# Altium PCB uTCA_MCH_PCB3.pcbdoc (part 10 of 25)
Units mil, origin at the board's own origin, x right, y up, seen from the top; angles counter-clockwise.
Board outline 7110.66 x 2894.12 mil, 12 copper layers (Top Layer, GND1, MidLayer1, PWR1, MidLayer2, GND2, PWR2, MidLayer3, GND3, MidLayer4, PWR3, Bottom Layer), stack 63.15 mil thick; 767 components, 905 nets, 4553 pads, 2832 vias.
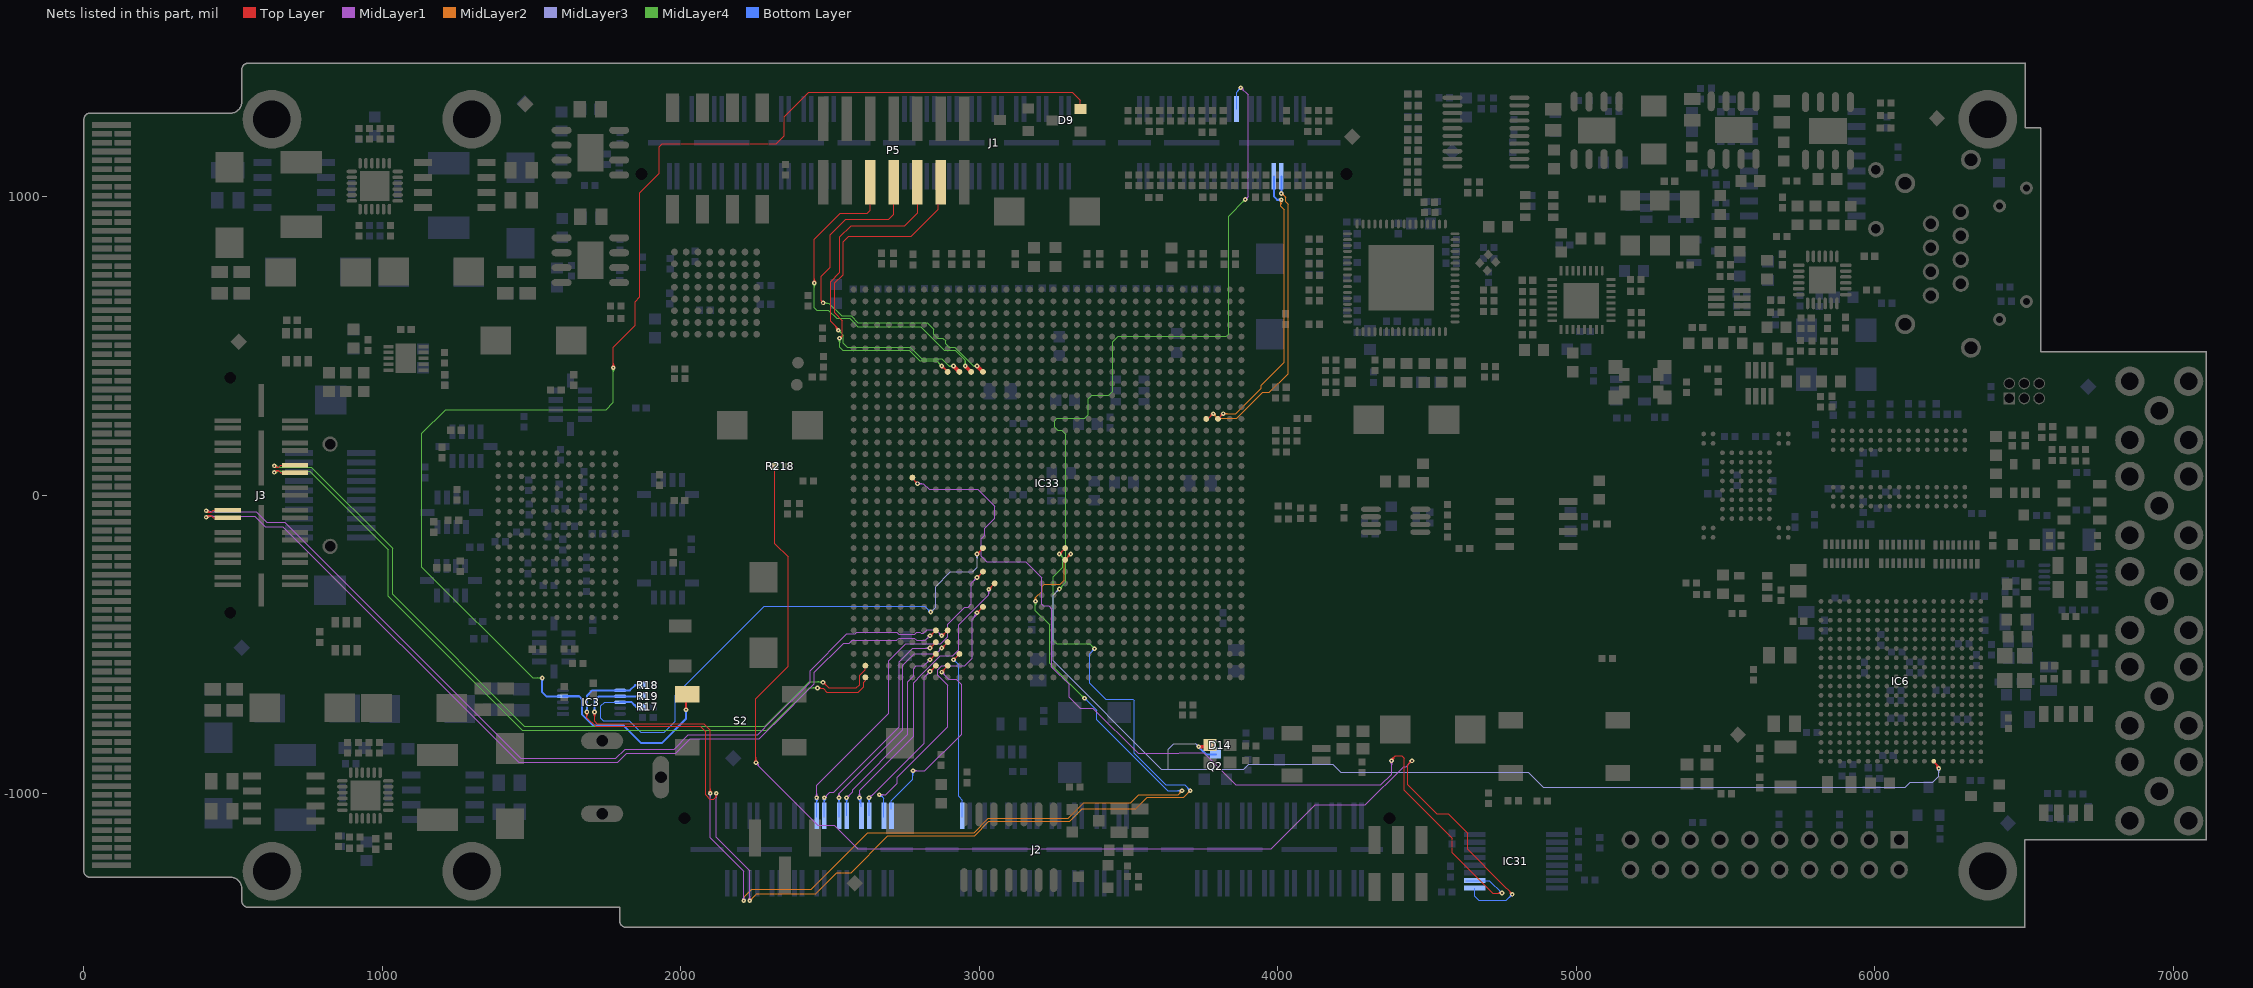
[diagram p20: the nets of this part, all layers, seen from the top]

## Via types
v1: diameter 15.75, hole 5.91, Top Layer to Bottom Layer, tented both sides, 2480 vias
v2: diameter 23.62, hole 11.81, Top Layer to Bottom Layer, tented both sides, 325 vias
v3: diameter 20, hole 10, Top Layer to Bottom Layer, tented both sides, 16 vias
v4: diameter 15.75, hole 7.87, Top Layer to Bottom Layer, tented both sides, 9 vias
v5: diameter 23.62, hole 11.81, Top Layer to Bottom Layer, 1 vias
v6: diameter 15.75, hole 5.91, Top Layer to Bottom Layer, 1 vias

## Nets (pads, with @x,y where several pads share a name; then routed paths per layer and width w, separated by ;. In a path a pad name is that pad's centre, name@x,y a point inside that pad or via, vN(x,y) a via of type N, cw(c..) or ccw(c..) an arc to the next point about the centre after c; other vN are vias at no path point) (continued)
FPGA_GPIO31: IC33.AE32 J2.64 | length 611.9
  Top Layer w3.94: v1(2913.39,-551.18) IC33.AE32@2933.07,-531.5 ; v1@2913.39,-545.28 ccw(c2913.39,-531.02) 2923.47,-541.1 ccw(c2933.55,-551.18) v1@2919.29,-551.18
  Bottom Layer w3.94: v1@2913.39,-557.09 cw(c2913.39,-571.34) 2923.47,-561.26 cw(c2933.55,-551.18) v1@2919.29,-551.18 ; v1(2913.39,-551.18) 2930.13,-567.92 2930.13,-1009.13 2942.99,-1022 J2.64@2942.99,-1078.15
FPGA_GPIO32: IC33.AF33 J2.66 | length 739.4
  Top Layer w3.94: v1@2874.02,-590.55 IC33.AF33@2893.7,-570.87 ; v1@2874.02,-586.61 ccw(c2874.02,-577.11) 2880.74,-583.83 ; v1@2875.98,-592.52 cw(c2885.49,-592.52) 2878.77,-585.8 ; v1@2879.92,-592.52 cw(c2898.93,-592.52) 2885.49,-579.08
  MidLayer1 w3.94: v1@2778.53,-923.21 2816.95,-923.21 2940.16,-800 2940.16,-635.42 ; v1@2781.81,-926.97 cw(c2790.87,-936.03) 2790.87,-923.21 ; v1@2781.81,-918.61 ccw(c2792.9,-907.52) 2792.9,-923.21 ; v1@2874.02,-598.43 cw(c2874.02,-612.68) 2884.1,-602.6 cw(c2894.18,-592.52) v1@2879.92,-592.52 ; v1(2874.02,-592.52) 2897.24,-615.75 2922.05,-615.75 2939.95,-633.66
  Bottom Layer w3.94: J2.66@2704.72,-1051.18 2704.72,-1023.62 2776.77,-951.58 v1@2776.77,-926.73 ; v1@2773.45,-926.97 cw(c2765.45,-934.97) 2776.77,-934.97 ; 2776.77,-939.12 cw(c2793.96,-939.12) v1@2781.81,-926.97
  other v1: 2777.63,-922.79
FPGA_GPIO33: IC33.AC28 J2.68 | length 1061
  Top Layer w3.94: v1(2992.13,-393.7) IC33.AC28@3011.81,-374.02 ; v1@2992.13,-387.8 ccw(c2992.13,-373.54) 3002.21,-383.62 ccw(c3012.29,-393.7) v1@2998.03,-393.7
  MidLayer1 w3.94: v1(2664.37,-1003.44) 2686.56,-1003.44 2725.15,-964.85 2725.15,-944.15 2893.7,-775.59 2893.7,-637 2860.24,-603.54 2860.24,-585.17 2874.54,-570.87 2951.17,-570.87 2976.38,-545.65 2976.38,-415.35 2998.03,-393.7 v1(2992.13,-393.7) ; v1@2668.55,-1007.62 cw(c2678.63,-1017.7) 2678.63,-1003.44 cw(c2678.63,-989.19) v1@2668.55,-999.27 ; 2977.87,-413.86 ccw(c2957.71,-393.7) v1@2986.22,-393.7 ; 2984.59,-407.14 ccw(c2971.15,-393.7) v1@2990.16,-393.7
  Bottom Layer w3.94: v1(2664.37,-1003.44) 2668.8,-1003.44 2680.31,-1014.96 ; v1@2664.54,-1005.41 cw(c2665.6,-1017.71) 2674.33,-1008.98 ; v1@2664.88,-1009.33 cw(c2666.55,-1028.73) 2680.31,-1014.96 ; J2.68@2680.31,-1078.15 2680.31,-1014.96
FPGA_GPIO34: IC33.AG33 J2.70 | length 696.7
  Top Layer w3.94: v1(2834.65,-590.55) IC33.AG33@2854.33,-570.87 ; v1@2834.65,-584.65 ccw(c2834.65,-570.39) 2844.73,-580.47 ccw(c2854.81,-590.55) v1@2840.55,-590.55
  MidLayer1 w3.94: v1@2627.95,-1011.81 v1(2629.92,-1013.78) 2631.89,-1013.78 2814.96,-830.71 2814.96,-610.24 v1(2834.65,-590.55) ; v1@2629.92,-1011.81 ccw(c2629.92,-1002.31) 2636.64,-1009.03 ; v1@2629.92,-1007.87 ccw(c2629.92,-988.86) 2643.36,-1002.31 ; v1@2635.83,-1013.78 cw(c2645.33,-1013.78) 2638.61,-1007.06 ; v1@2828.74,-590.55 cw(c2814.48,-590.55) 2824.56,-600.63 cw(c2834.65,-610.71) v1@2834.65,-596.46
  Bottom Layer w3.94: v1@2625.75,-1017.96 cw(c2614.14,-1029.56) 2630.55,-1029.56 ; J2.70@2630.55,-1074.21 v1@2630.55,-1014.41 ; 2630.55,-1026.52 cw(c2642.66,-1026.52) v1@2634.1,-1017.96
FPGA_GPIO35: IC33.AB26 J2.72 | length 1093.6
  Top Layer w3.94: v1(3031.5,-314.96) IC33.AB26@3051.18,-295.28 ; v1@3031.5,-309.06 ccw(c3031.5,-294.79) 3041.58,-304.88 ccw(c3051.66,-314.96) v1@3037.4,-314.96
  MidLayer1 w3.94: v1@2594.24,-1009.6 ccw(c2584.15,-999.51) 2598.43,-999.51 ; v1@2594.49,-1011.81 2598.43,-1007.87 2598.43,-988.19 2779.53,-807.09 2779.53,-627.95 2807.09,-600.39 ; v1(2598.42,-1013.78) v1@2604.33,-1013.78 ; 2598.43,-999.53 ccw(c2612.66,-999.53) v1@2602.6,-1009.6 ; 2807.09,-600.01 2869.7,-537.4 2911.42,-537.4 2931.1,-517.72 2931.1,-434.26 3031.5,-333.86 v1(3031.5,-314.96) ; v1@3027.32,-319.14 cw(c3017.24,-329.22) 3031.5,-329.22 cw(c3045.75,-329.22) v1@3035.67,-319.14
  Bottom Layer w3.94: v1@2594.24,-1017.95 cw(c2569.89,-1042.3) J2.72@2604.33,-1042.3 ; v1@2597.03,-1015.17 cw(c2579.4,-1032.8) J2.72@2604.33,-1032.8 ; v1(2598.42,-1013.78) 2604.33,-1019.69 J2.72@2604.33,-1043.31 ; v1@2599.81,-1012.39 cw(c2588.9,-1023.29) 2604.33,-1023.29
FPGA_GPIO36: IC33.AG32 J2.74 | length 770.3
  Top Layer w3.94: v1(2834.65,-551.18) IC33.AG32@2854.33,-531.5 ; v1@2834.65,-545.28 ccw(c2834.65,-531.02) 2844.73,-541.1 ccw(c2854.81,-551.18) v1@2840.55,-551.18
  MidLayer1 w3.94: v1(2555.12,-1013.78) 2575,-993.9 2575,-986.02 2759.84,-801.18 2759.84,-624.02 2779.5,-604.36 2779.5,-581.5 2789.26,-571.74 2814.09,-571.74 v1(2834.65,-551.18) ; v1@2555.12,-1007.87 ccw(c2555.12,-993.62) 2565.2,-1003.7 ccw(c2575.28,-1013.78) v1@2561.02,-1013.78 ; v1@2828.74,-551.18 cw(c2814.48,-551.18) 2824.56,-561.26 cw(c2834.65,-571.34) v1@2834.65,-557.09
  Bottom Layer w3.94: v1@2550.94,-1017.96 cw(c2539.72,-1029.18) 2555.59,-1029.18 ; J2.74@2555.59,-1074.21 v1@2555.59,-1014.25 ; 2555.59,-1026.9 cw(c2568.23,-1026.9) v1@2559.29,-1017.96
FPGA_GPIO37: IC33.AF31 J2.76 | length 867.1
  Top Layer w3.94: v1(2874.02,-511.81) IC33.AF31@2893.7,-492.13 ; v1@2874.02,-505.91 ccw(c2874.02,-491.65) 2884.1,-501.73 ccw(c2894.18,-511.81) v1@2879.92,-511.81
  MidLayer1 w3.94: v1@2525.45,-1009.5 ccw(c2516.41,-1000) 2529.53,-1000 ; v1(2529.53,-1013.78) 2529.53,-1000 ; v1@2533.6,-1009.5 cw(c2542.65,-1000) 2529.53,-1000 ; v1@2868.11,-511.81 cw(c2853.85,-511.81) 2863.93,-521.89 cw(c2874.02,-531.97) v1@2874.02,-517.72 ; v1(2874.02,-511.81) 2854.33,-531.5 2781.5,-531.5 2744.09,-568.9 2744.09,-785.43 2529.53,-1000
  Bottom Layer w3.94: v1@2525.35,-1017.96 cw(c2513.18,-1030.13) J2.76@2530.39,-1030.13 ; J2.76@2530.39,-1078.15 v1@2530.39,-1014.65 ; 2530.39,-1025.94 cw(c2541.69,-1025.94) v1@2533.7,-1017.96
FPGA_GPIO38: IC33.AG31 J2.78 | length 871.2
  Top Layer w3.94: v1(2834.65,-511.81) IC33.AG31@2854.33,-492.13 ; v1@2834.65,-505.91 ccw(c2834.65,-491.65) 2844.73,-501.73 ccw(c2854.81,-511.81) v1@2840.55,-511.81
  MidLayer1 w3.94: v1(2480.32,-1013.78) 2499.05,-995.05 2511.95,-995.05 2731.29,-775.71 2731.29,-558.08 2777.56,-511.81 v1(2834.65,-511.81) ; v1@2480.32,-1007.87 ccw(c2480.32,-993.62) 2490.4,-1003.7 ccw(c2500.48,-1013.78) v1@2486.22,-1013.78 ; v1@2830.47,-515.99 ccw(c2820.39,-526.07) 2820.39,-511.81 ccw(c2820.39,-497.55) v1@2830.47,-507.64
  Bottom Layer w3.94: v1@2476.14,-1017.96 cw(c2465.3,-1028.8) 2480.63,-1028.8 ; J2.78@2480.63,-1078.15 v1@2480.63,-1014.1 ; 2480.63,-1027.27 cw(c2493.81,-1027.27) v1@2484.49,-1017.96
FPGA_GPIO39: IC33.AC25 J2.80 | length 1217.9
  Top Layer w3.94: v1(2992.13,-275.59) IC33.AC25@3011.81,-255.91 ; v1@2992.13,-269.69 ccw(c2992.13,-255.43) 3002.21,-265.51 ccw(c3012.29,-275.59) v1@2998.03,-275.59
  MidLayer1 w3.94: v1@2450.55,-1009.6 ccw(c2440.47,-999.52) 2454.72,-999.52 ccw(c2468.98,-999.52) v1@2458.9,-1009.6 ; v1(2454.72,-1013.78) 2454.72,-972.28 2695.87,-731.13 2695.87,-553.76 2752.62,-497 2871.11,-497 2893.7,-474.41 2893.7,-431.48 2950.62,-374.57 2961.93,-374.57 2972.44,-364.06 2972.44,-295.28 v1(2992.13,-275.59) ; v1@2986.22,-275.59 cw(c2971.96,-275.59) 2982.04,-285.67 cw(c2992.13,-295.75) v1@2992.13,-281.5
  Bottom Layer w3.94: v1@2450.55,-1017.96 cw(c2438.76,-1029.75) 2455.43,-1029.75 ; J2.80@2455.43,-1078.15 v1@2455.43,-1014.49 ; 2455.43,-1026.33 cw(c2467.27,-1026.33) v1@2458.9,-1017.96
FPGA_INIT_B: D14.2 IC6.N1 J1.83 Q2.3 | length 6362.1
  Top Layer w3.94: IC6.N1@6197.56,-891.2 6214,-907.64 v1(6214,-915) ; IC6.N1@6198.71,-892.35 cw(c6176.06,-915) v1@6208.09,-915 ; 6205.43,-899.07 cw(c6189.5,-915) v1@6212.03,-915 ; 6212.15,-905.79 cw(c6202.95,-915) v1@6215.97,-915
  Top Layer w12.6: v1@3736.12,-842.91 D14.2@3758.66,-842.91
  MidLayer1 w3.94: v1@3876,1359.09 cw(c3876,1344.84) 3886.08,1354.92 cw(c3896.16,1365) v1@3881.91,1365 ; v1(3876,1365) 3900,1341 3900,1000 ; v1(3891,991) 3900,1000 ; v1@3891.49,996.88 ccw(c3892.39,1007.61) 3900,1000 ; v1@3896.88,991.49 cw(c3907.61,992.39) 3900,1000
  MidLayer4 w3.94: v1(3268,-314) 3290,-292 3290,204 3276,218 3262,218 3252,228 3252,250 3260,258 3353,258 3365,270 3365,323 3377,335 3433,335 3447,349 3447,514 3465,532 3827,532 3835.11,540.11 3835.11,935.11 v1(3891,991) ; v1@3268,-308.09 ccw(c3268,-293.84) 3278.08,-303.92 ccw(c3288.16,-314) v1@3273.91,-314 ; v1@3885.09,991 cw(c3870.84,991) 3880.92,980.92 cw(c3891,970.84) v1@3891,985.09
  MidLayer3 w3.94: v1@3262.09,-314 cw(c3247.84,-314) 3257.92,-324.08 cw(c3268,-334.16) v1@3268,-319.91 ; v1(3268,-314) 3247,-335 3247,-555 3609.35,-917.35 3885.6,-917.35 3901.95,-901 4184,-901 4211,-928 4838,-928 4889,-979 6101,-979 6118,-962 6194,-962 6214,-942 v1(6214,-915) ; 3632.26,-917.27 3632.26,-851.08 3651.65,-831.69 3725.3,-831.69 ; 3727.21,-833.6 ccw(c3735.12,-825.68) v1@3735.12,-836.87 ; v1@3729.23,-842.32 ccw(c3715.72,-841.28) 3725.3,-831.69 ; v1(3735.12,-842.78) 3735.12,-841.51 3725.3,-831.69 ; v1@6209.82,-919.18 cw(c6199.74,-929.26) 6214,-929.26 cw(c6228.26,-929.26) v1@6218.18,-919.18
  Bottom Layer w3.94: J1.83@3861.65,1293.9 3861.65,1350.65 v1(3876,1365) ; v1@3870.09,1365 cw(c3855.84,1365) 3865.92,1354.92 cw(c3876,1344.84) v1@3876,1359.09
  Bottom Layer w6.89: v1@3735.12,-847.21 cw(c3735.12,-855.22) 3740.79,-849.56 ; v1(3735.12,-842.78) 3735.12,-843.89 3759.37,-868.14 Q2.3@3792.08,-868.14 ; v1@3739.55,-842.78 ccw(c3752.92,-842.78) 3743.47,-852.24
FPGA_JTAG.FPGA_TCK: IC33.AE8 P5.6 | length 1278.7
  Top Layer w3.94: 2503.42,581.23 v1@2531.5,553.15 ; 2505.28,579.33 2501.34,583.27 2501.34,715.87 2532.46,746.99 2532.46,795.69 ; 2514.68,569.96 cw(c2497.87,553.15) v1@2521.65,553.15 ; 2521.41,563.24 cw(c2511.31,553.15) v1@2525.59,553.15 ; 2524.2,560.44 ccw(c2527.55,563.79) v1@2527.55,559.05 ; 2532.52,791.5 2532.52,865.37 2570.74,903.59 2749.72,903.59 2793.2,947.07 P5.6@2793.2,1025.7
  Top Layer w12.6: v1(2913.39,433.07) IC33.AE8@2933.07,413.39
  MidLayer4 w3.94: v1@2527.55,547.24 cw(c2527.55,532.99) 2537.64,543.07 cw(c2547.72,553.15) v1@2533.46,553.15 ; v1@2531.49,553.15 v1(2527.55,553.15) 2544.29,536.42 2544.29,508.48 2557.1,495.67 2768.5,495.67 2806.5,457.68 2874.21,457.68 2899.21,432.68 ; 2900.08,432.68 cw(c2900.08,419.76) v1@2909.21,428.9 ; v1@2909,437.03 cw(c2899.21,445.86) 2899.21,432.68 ; v1@2913.39,432.68 2899.21,432.68
FPGA_JTAG.FPGA_TDI: IC33.AD8 P5.10 | length 1195.8
  Top Layer w3.94: v1@2442.79,715.41 ccw(c2432.71,725.49) 2446.97,725.49 ccw(c2461.23,725.49) v1@2451.15,715.41 ; v1(2446.97,711.23) 2446.97,857.52 2533.36,943.91 2623.91,943.91 2634.87,954.87 P5.10@2634.87,1003.42
  Top Layer w12.6: v1(2952.76,433.07) IC33.AD8@2972.44,413.39
  MidLayer4 w3.94: v1@2442.79,707.05 cw(c2432.69,696.95) 2446.98,696.95 ; 2446.98,697 cw(c2461.2,697) v1@2451.15,707.05 ; v1@2446.98,709.87 2446.98,628.56 2455.15,620.39 2493.78,620.39 2521.65,592.52 2564.96,592.52 2592.91,564.57 2803.16,564.57 2882.5,485.24 2918.69,485.24 2952.36,451.56 v1@2952.36,433.86 ; v1@2948.58,437.25 ccw(c2939.45,446.38) 2952.36,446.38 ; 2952.36,448.28 ccw(c2967.96,448.28) v1@2956.93,437.25
FPGA_JTAG.FPGA_TDO: IC33.AC8 P5.8 | length 1279.3
  Top Layer w3.94: v1@2471.03,646.68 ccw(c2465.79,648.81) 2469.79,652.81 ; v1@2476.19,650.36 cw(c2475.74,658.76) 2469.79,652.81 ; v1@2476.38,646.22 2469.79,652.81 ; P5.8@2712.36,1041.58 2712.36,941.49 2695.77,924.9 2553.01,924.9 2500.52,872.41 2500.52,763.93 2469.79,733.2 2469.79,652.81
  Top Layer w12.6: v1(2992.13,433.07) IC33.AC8@3011.81,413.39
  MidLayer4 w3.94: v1@2477.41,644.01 2495.8,644.01 2539.03,600.78 2570.1,600.78 2593.13,577.75 2826.17,577.75 2847.44,556.48 2847.44,538.78 2860.24,525.98 2877.94,525.98 2886.81,517.11 2886.81,507.09 2897.83,496.06 2917.6,496.06 2980.99,432.68 ; v1@2480.68,640.28 cw(c2489.67,631.29) 2489.67,644.01 ; v1@2480.68,648.64 ccw(c2491.84,659.8) 2491.84,644.01 ; v1@2987.06,436.11 cw(c2980.99,439.77) 2980.99,432.68 ; v1@2987.43,429.49 ccw(c2980.99,424.57) 2980.99,432.68 ; v1@2992.13,432.68 2980.99,432.68
  other v1: 2476.5,644.46
FPGA_JTAG.FPGA_TMS: IC33.AF8 P5.4 | length 1311.9
  Top Layer w3.94: v1@2533.07,531.28 ccw(c2535.33,539.46) 2541.33,533.46 ; v1@2533.46,525.59 2541.33,533.46 ; v1@2537.4,525.59 cw(c2546.89,525.59) 2540.18,532.3 ; P5.4@2862.2,1049.21 2862.2,958.66 2770.95,867.41 2561.58,867.41 2543.48,849.31 2543.48,739.46 2515.24,711.22 2515.24,610.75 2541.33,584.65 2541.33,533.46
  Top Layer w4.92: v1@2874.02,427.66 cw(c2874.02,414.59) 2883.26,423.83 cw(c2892.5,433.07) v1@2879.43,433.07 ; v1(2874.02,433.07) IC33.AF8@2893.7,413.39
  MidLayer4 w3.94: v1@2527.32,521.41 cw(c2517.23,511.33) 2531.49,511.33 cw(c2545.75,511.33) v1@2535.67,521.41 ; v1(2531.49,525.59) 2531.49,496.07 2542.13,485.43 2633.56,485.43 ; 2633.58,485.41 2645.95,485.41 ; 2645.97,485.43 2765.35,485.43 2801.02,449.76 2856.93,449.76 v1@2874.02,432.68 ; 2863.26,443.43 ccw(c2874.02,454.18) v1@2874.02,438.98 ; 2864.21,442.48 cw(c2854.8,433.07) v1@2868.11,433.07
FPGA_RS232_RXD: IC31.9 R218.1 | length 4432.3
  Top Layer w3.94: v1@2247.54,-891.58 ccw(c2240.66,-884.7) 2250.39,-884.7 ; v1@2250.39,-894.33 2250.39,-681.42 2359.61,-572.2 2359.61,-206.38 2314.96,-161.73 R218.1@2314.96,96.46 ; 2250.39,-887.81 ccw(c2259.67,-887.81) v1@2253.11,-894.37 ; 2250.39,-878.3 ccw(c2269.18,-878.3) v1@2255.9,-891.58 ; 4436.99,-900.77 cw(c4449.02,-912.8) v1@4449.02,-895.79 ; 4439.74,-898.01 ccw(c4431.61,-889.88) v1@4443.11,-889.88 ; v1@4448.44,-889.31 4435.04,-902.72 4435.04,-969.07 4532.43,-1066.46 4570.59,-1066.46 4635.75,-1131.62 4635.75,-1186.24 4747.25,-1297.74 4747.25,-1297.99 v1@4786.2,-1336.94 ; 4774.65,-1325.39 cw(c4762.89,-1337.14) v1@4779.51,-1337.14 ; 4777.01,-1327.75 ccw(c4785.42,-1319.34) v1@4785.42,-1331.23
  MidLayer1 w3.94: v1@2249.96,-896.34 2459.33,-1105.71 2513.58,-1105.71 2592.87,-1185 3978,-1185 4125.6,-1037.4 4293.31,-1037.4 4421.73,-908.98 4429.92,-908.98 v1(4449.02,-889.88) ; v1@2251.72,-901.67 cw(c2251.72,-910.27) 2257.81,-904.19 ; v1@2253.69,-895.76 ccw(c2264.09,-895.76) 2256.74,-903.12 ; v1@2257.63,-895.76 ccw(c2277.53,-895.76) 2263.46,-909.84 ; v1@4443.11,-889.88 cw(c4428.85,-889.88) 4438.93,-899.96 cw(c4449.02,-910.04) v1@4449.02,-895.79
  Bottom Layer w3.94: IC31.9@4659.2,-1316.13 4659.2,-1343.7 4672.18,-1356.68 4765.93,-1356.68 v1@4784.6,-1338.01 ; 4775.3,-1347.31 ccw(c4765.14,-1337.14) v1@4779.51,-1337.14 ; 4775.42,-1347.19 cw(c4785.42,-1357.18) v1@4785.42,-1343.05
  other v1: 4785.42,-1337.14 2251.72,-895.76
FPGA_RS232_TXD: IC31.10 IC33.AJ17 | length 3378.8
  Top Layer w3.94: IC33.AJ17@2775.59,56.41 v1(2793,39) ; v1@2787.09,39 ccw(c2772.84,39) 2782.92,49.08 ccw(c2793,59.16) v1@2793,44.91 ; v1@4380.59,-883.27 ccw(c4380.59,-878.71) 4383.82,-881.93 ; v1@4382.56,-889.14 cw(c4396.4,-888.93) 4386.61,-879.14 ; 4383.86,-881.89 4393.19,-872.56 ; v1@4386.5,-889.08 cw(c4409.35,-888.72) 4393.19,-872.56 ; 4734.74,-1333.47 ccw(c4734.74,-1316.14) v1@4746.99,-1328.39 ; 4739.09,-1333.47 cw(c4739.09,-1344.65) v1@4746.99,-1336.75 ; v1@4750.18,-1331.61 4748.32,-1333.47 4719.77,-1333.47 4597.12,-1210.82 4597.12,-1210.65 4583.75,-1197.28 4583.75,-1149.19 4423.23,-988.67 4423.23,-881.02 4414.76,-872.56 4393.19,-872.56
  MidLayer1 w3.94: v1(2793,39) 2812.69,39 2832,19.68 2995.08,19.68 3051.18,-36.42 3051.18,-76.77 3017.72,-110.24 3017.72,-133.86 3005.91,-145.67 3005.91,-203.94 3024.41,-222.44 3155.31,-222.44 3208.66,-275.79 3208.66,-365.66 3214,-371 3232,-371 3242.99,-381.99 3242.99,-575.87 3300.56,-633.44 3300.56,-676.56 3337.44,-713.44 3380.56,-713.44 3531.69,-864.57 3668.52,-864.57 ; v1@2797.18,34.82 cw(c2807.26,24.74) 2807.26,39 cw(c2807.26,53.26) v1@2797.18,43.18 ; 3669.9,-863.19 3750.98,-863.19 3858.27,-970.47 4344.87,-970.47 4381.06,-934.28 v1@4381.06,-888.86 ; v1@4376.41,-893.35 cw(c4365.19,-904.57) 4381.06,-904.57 ; 4381.06,-902.29 cw(c4393.71,-902.29) v1@4384.77,-893.35
  Bottom Layer w3.94: IC31.10@4629.96,-1291.26 4708.77,-1291.26 v1@4749.65,-1332.14 ; 4739.23,-1321.72 ccw(c4751.17,-1309.78) v1@4751.17,-1326.66 ; 4741.86,-1324.35 cw(c4733.64,-1332.57) v1@4745.26,-1332.57
  other v1: 4751.17,-1332.57 4380.59,-889.17
FPGA_USB_RX: IC33.D12 J1.92 | length 1105.8
  Top Layer w3.94: IC33.D12@3764.51,255.35 v1@3783.03,273.86 ; 3771.07,261.9 cw(c3783.31,249.67) v1@3783.31,266.97 ; 3774.12,264.96 ccw(c3766.2,272.88) v1@3777.4,272.88
  MidLayer2 w3.94: v1@3783.31,266.97 cw(c3783.31,252.72) 3793.39,262.8 cw(c3803.47,272.88) v1@3789.22,272.88 ; v1(3783.31,272.88) 3798.68,257.51 3861.76,257.51 3948.72,344.47 3971.51,344.47 4034.21,407.17 4034.21,975.32 4026.64,982.89 4026.64,997.56 v1@4014.44,1009.76 ; v1@4011.57,1004.71 cw(c4011.57,985.59) 4025.09,999.11 ; v1@4011.57,1008.65 cw(c4011.57,999.04) 4018.37,1005.83 ; v1@4017.48,1010.61 ccw(c4026.88,1010.61) 4020.23,1003.97
  Bottom Layer w6.89: v1@4008.44,1013.75 ccw(c4000.88,1021.31) 4011.57,1021.31 ccw(c4022.27,1021.31) v1@4014.71,1013.75 ; v1@4011.35,1010.39 v1(4011.57,1010.61) J1.92@4011.57,1068.31
FPGA_USB_TX: IC33.C12 J1.90 | length 1035.6
  Top Layer w3.94: IC33.C12@3799.21,255.91 v1(3816.74,273.43) v1@3818.75,273.43 ; v1@3810.83,273.43 cw(c3796.57,273.43) 3806.65,263.35 cw(c3816.74,253.27) v1@3816.74,267.52
  MidLayer2 w3.94: v1(3816.74,273.43) 3858.97,273.43 3943.84,358.3 3943.84,368.9 4020.76,445.82 4020.76,957.26 4010.45,967.57 v1@4010.45,986.87 ; v1@3820.91,269.25 cw(c3830.99,259.17) 3830.99,273.43 cw(c3830.99,287.69) v1@3820.91,277.61 ; v1@4007.28,985.89 cw(c3999.64,978.25) 4010.45,978.25 ; 4010.45,973.37 cw(c4028.16,973.37) v1@4015.64,985.89
  Bottom Layer w6.89: J1.90@3986.38,1068.31 3986.38,1001.23 3997.85,989.76 v1@4012.37,989.76 ; 4000.02,989.76 ccw(c4000.02,1001.51) v1@4008.33,993.2 ; 4001.52,989.76 cw(c4001.52,980.13) v1@4008.33,986.94
  other v1: 4011.46,990.07
FPGA_WD.FPGA_WD_INT: IC3.8 IC33.AC23 R17.1 | length 1972.1
  Top Layer w3.94: v1(2992.13,-196.85) IC33.AC23@3011.81,-177.17 ; v1@2992.13,-190.94 ccw(c2992.13,-176.69) 3002.21,-186.77 ccw(c3012.29,-196.85) v1@2998.03,-196.85
  MidLayer3 w3.94: v1(2837,-391) 2837,-392 2854,-375 2854,-306 2903,-257 2977,-257 2992.13,-241.87 v1(2992.13,-196.85) ; v1@2837,-385.09 ccw(c2837,-368.42) 2848.79,-380.21 ; v1@2842.91,-391 cw(c2854.75,-391) 2846.37,-382.63 ; v1@2987.95,-201.03 cw(c2977.87,-211.11) 2992.13,-211.11 cw(c3006.38,-211.11) v1@2996.3,-201.03
  Bottom Layer w3.94: IC3.8@1796.49,-693.32 1744.28,-693.32 1731.61,-705.98 1731.61,-746.77 1740.28,-755.43 1826.61,-755.43 1865.08,-793.9 1943.58,-793.9 1980.47,-757.01 1980.47,-670.24 2278.66,-372.05 2817.05,-372.05 2837,-392 v1(2837,-391) ; 2825.21,-380.21 ccw(c2837,-368.42) v1@2837,-385.09 ; 2827.63,-382.63 cw(c2819.25,-391) v1@2831.09,-391
  Bottom Layer w6.89: IC3.8@1796.49,-693.32 1835.13,-693.32 1844.76,-702.95 ; 1844.49,-702.76 1850.39,-708.66 R17.1@1870.08,-708.66
FPGA_WD.FPGA_WD_PROGRAM: D9.2 IC3.4 S2.2 | length 5024.4
  Top Layer w3.94: v1@1769.45,431.34 ccw(c1759.36,441.42) 1773.62,441.42 ccw(c1787.88,441.42) v1@1777.8,431.34 ; v1(1773.62,427.17) 1773.62,496.06 1846.46,568.9 1846.46,648.97 1862.2,664.71 1862.2,1013.78 1927.17,1078.74 1927.17,1167.32 1937.01,1177.17 2318.9,1177.17 2345.66,1203.93 2345.66,1267.49 2428.38,1350.21 3310.79,1350.21 3338,1323 3338,1293.89 D9.2@3338.58,1293.31
  Top Layer w6.89: v1@2014.04,-715.27 ccw(c2006.48,-707.71) 2017.17,-707.71 ccw(c2027.86,-707.71) v1@2020.3,-715.27 ; v1(2017.17,-718.4) S2.2@2017.17,-672.53
  MidLayer4 w3.94: v1@1531.26,-616.38 ccw(c1521.18,-626.46) 1521.18,-612.2 ccw(c1521.18,-597.95) v1@1531.26,-608.03 ; v1(1535.43,-612.2) 1503.94,-612.2 1132.28,-240.55 1132.28,207.09 1211.89,286.69 1749.29,286.69 1773.62,311.02 v1(1773.62,427.17) ; v1@1769.45,422.99 cw(c1759.36,412.91) 1773.62,412.91 cw(c1787.88,412.91) v1@1777.8,422.99
  Bottom Layer w6.89: v1@1532.3,-615.34 cw(c1524.74,-622.9) 1535.43,-622.9 cw(c1546.13,-622.9) v1@1538.56,-615.34 ; v1(1535.43,-612.2) 1535.43,-659.53 1549.45,-673.54 IC3.4@1593.27,-673.54 ; IC3.4@1604.73,-673.38 1659.4,-673.38 1668.5,-682.48 1668.5,-733.46 1706.69,-771.65 1763.78,-771.65 ; 1759.93,-771.74 1808.64,-771.74 1867.61,-830.71 1935.88,-830.71 2017.17,-749.42 v1(2017.17,-718.4) ; v1@2014.04,-721.53 cw(c2006.48,-729.09) 2017.17,-729.09 cw(c2027.86,-729.09) v1@2020.3,-721.53
FPGA_WD.FPGA_WD_SCL: IC3.7 IC33.T24 R19.1 | length 4305.7
  Top Layer w3.94: v1@1706.45,-730.55 cw(c1696.37,-740.63) 1710.63,-740.63 cw(c1724.88,-740.63) v1@1714.8,-730.55 ; v1(1710.63,-726.38) 1710.63,-757.87 1718.5,-765.75 2076.06,-765.75 2098.43,-788.11 v1(2098.43,-998.03) ; v1@2094.25,-993.86 ccw(c2084.17,-983.77) 2098.43,-983.77 ccw(c2112.68,-983.77) v1@2102.6,-993.86 ; IC33.T24@3287.4,-216.54 3306,-197.94 v1(3306,-197) ; 3295.26,-208.68 ccw(c3283.57,-197) v1@3300.09,-197 ; 3297.52,-206.42 cw(c3306,-214.9) v1@3306,-202.91
  MidLayer1 w3.94: v1@2094.25,-1002.21 cw(c2084.17,-1012.29) 2098.43,-1012.29 cw(c2112.68,-1012.29) v1@2102.6,-1002.21 ; v1(2098.43,-998.03) 2098.43,-1147.64 2210.63,-1259.84 v1(2210.63,-1358.27) ; v1@2206.45,-1354.09 ccw(c2196.37,-1344.01) 2210.63,-1344.01 ccw(c2224.89,-1344.01) v1@2214.81,-1354.09
  MidLayer4 w3.94: v1@3183.82,-359.18 cw(c3173.74,-369.26) 3188,-369.26 cw(c3202.26,-369.26) v1@3192.18,-359.18 ; v1(3188,-355) 3188,-387 3235,-434 3235,-563 v1(3352,-680) ; v1@3346.09,-680 ccw(c3331.84,-680) 3341.92,-669.92 ccw(c3352,-659.84) v1@3352,-674.09
  MidLayer2 w3.94: v1@2207.09,-1353.54 ccw(c2201.77,-1346.46) 2210.63,-1346.46 ; v1(2210.63,-1358.27) 2210.63,-1346.46 ; v1@2214.17,-1353.54 cw(c2219.49,-1346.46) 2210.63,-1346.46 ; v1@3184.74,-350.08 ccw(c3180.71,-344) 3188,-344 ; v1(3188,-355) 3188,-344 ; v1@3191.26,-350.08 cw(c3195.29,-344) 3188,-344 ; v1@3300.09,-197 cw(c3285.84,-197) 3295.92,-207.08 cw(c3306,-217.16) v1@3306,-202.91 ; v1(3306,-197) 3284,-219 3284,-285 3271,-298 3217,-298 3210,-305 3210,-322 3188,-344 ; v1@3673.23,-990.16 cw(c3658.97,-990.16) 3669.05,-1000.24 cw(c3679.13,-1010.32) v1@3679.13,-996.06 ; v1(3679.13,-990.16) 3665.94,-1003.35 3534.01,-1003.35 3506.71,-1030.65 3349.17,-1030.65 3297.58,-1082.24 3030.24,-1082.24 2982.09,-1130.39 2626.42,-1130.39 2436.93,-1319.88 2237.2,-1319.88 2210.63,-1346.46
  Bottom Layer w3.94: v1@3352,-685.91 cw(c3352,-701.85) 3363.28,-690.58 ; v1(3352,-680) 3352.7,-680 3393.7,-721 3393.7,-752.36 3631.5,-990.16 v1(3679.13,-990.16) ; v1@3357.91,-680 ccw(c3370.47,-680) 3361.59,-688.89 ; v1@3674.96,-994.33 ccw(c3664.88,-1004.41) 3664.88,-990.16 ccw(c3664.88,-975.9) v1@3674.96,-985.98
  Bottom Layer w6.89: v1@1707.49,-723.24 ccw(c1700.12,-715.87) 1710.55,-715.87 ; v1@1710.55,-726.06 1710.55,-688.7 1725.64,-673.62 IC3.7@1796.49,-673.62 1852.01,-673.62 ; 1710.55,-715.5 ccw(c1721.5,-715.5) v1@1713.76,-723.24 ; 1852.4,-673.23 R19.1@1870.08,-673.23
FPGA_WD.FPGA_WD_SDA: IC3.6 IC33.T23 R18.1 | length 4451.1
  Top Layer w3.94: v1@1680.86,-730.55 cw(c1670.78,-740.64) 1685.04,-740.64 cw(c1699.3,-740.64) v1@1689.22,-730.55 ; v1(1685.04,-726.38) 1685.04,-744.81 1714.83,-774.61 2064.72,-774.61 2082.68,-792.56 2082.68,-1003.94 2096.46,-1017.72 2110.24,-1017.72 2118.11,-1009.84 ; v1@2114.57,-1002.76 cw(c2109.25,-1009.84) 2118.11,-1009.84 ; v1(2118.11,-998.03) 2118.11,-1009.84 ; v1@2121.65,-1002.76 ccw(c2126.97,-1009.84) 2118.11,-1009.84 ; v1(3267.72,-196.85) IC33.T23@3287.4,-177.17 ; v1@3267.72,-190.94 ccw(c3267.72,-176.69) 3277.8,-186.77 ccw(c3287.88,-196.85) v1@3273.62,-196.85
  MidLayer1 w3.94: v1@2113.93,-1002.21 cw(c2103.85,-1012.29) 2118.11,-1012.29 cw(c2132.37,-1012.29) v1@2122.29,-1002.21 ; v1(2118.11,-998.03) 2118.11,-1145.67 2230.32,-1257.87 v1(2230.32,-1358.27) ; v1@2226.14,-1354.09 ccw(c2216.06,-1344.01) 2230.31,-1344.01 ccw(c2244.57,-1344.01) v1@2234.49,-1354.09
  MidLayer4 w3.94: v1@3267.72,-202.76 cw(c3267.72,-217.01) 3277.8,-206.93 cw(c3287.88,-196.85) v1@3273.62,-196.85 ; v1(3267.72,-196.85) 3279.37,-208.5 3279.37,-241.01 3248,-272.38 3248,-487 3259,-498 3370,-498 v1(3386,-514) ; v1@3380.09,-514 ccw(c3365.84,-514) 3375.92,-503.92 ccw(c3386,-493.84) v1@3386,-508.09
  MidLayer2 w3.94: v1(2230.32,-1358.27) 2254.29,-1334.29 2451.3,-1334.29 2521.54,-1264.06 2570.42,-1264.06 2693.64,-1140.83 2984.09,-1140.83 3031.96,-1092.96 3302.04,-1092.96 3344.76,-1050.24 3524.45,-1050.24 3563.06,-1011.63 3685.22,-1011.63 v1(3706.69,-990.16) ; v1@2230.32,-1352.36 ccw(c2230.32,-1338.11) 2240.4,-1348.19 ccw(c2250.48,-1358.27) v1@2236.22,-1358.27 ; v1@3700.79,-990.16 cw(c3686.53,-990.16) 3696.61,-1000.24 cw(c3706.69,-1010.32) v1@3706.69,-996.06
  Bottom Layer w3.94: v1@3380.09,-514 cw(c3365.84,-514) 3375.92,-524.08 cw(c3386,-534.16) v1@3386,-519.91 ; v1(3386,-514) 3369.09,-530.91 3369.09,-629.47 3422.54,-682.92 3514.13,-682.92 3518.44,-687.23 3518.44,-864.94 3623.98,-970.47 3687.61,-970.47 3706.69,-989.55 v1(3706.69,-990.16) ; 3696.18,-979.04 cw(c3685.07,-990.16) v1@3700.79,-990.16 ; 3697.64,-980.5 ccw(c3706.69,-971.45) v1@3706.69,-984.25
  Bottom Layer w6.89: v1@1681.91,-723.25 ccw(c1674.73,-716.07) 1684.88,-716.07 ; v1@1684.88,-726.85 1684.88,-672.72 1703.68,-653.92 IC3.6@1796.49,-653.92 1829.23,-653.92 1846.69,-636.46 R18.1@1871.77,-636.46 ; 1684.88,-715.3 ccw(c1696.11,-715.3) v1@1688.17,-723.25
FREE_MRCC_N: IC33.AG30 J3.14 | length 3191.3
  Top Layer w3.94: v1(409.45,-73.38) 414.86,-67.97 426.04,-67.97 ; v1@411.28,-74.1 cw(c420.27,-77.62) 420.27,-67.97 ; v1@414.95,-75.53 cw(c426.04,-79.87) 426.04,-67.97 ; J3.14@481.69,-75 433.07,-75 426.04,-67.97 ; v1@2834.65,-472.44 IC33.AG30@2854.33,-452.76 ; v1@2834.64,-468.5 ccw(c2834.64,-458.98) 2841.37,-465.71 ; v1@2834.64,-464.57 ccw(c2834.64,-445.54) IC33.AG30@2848.09,-458.99 ; v1@2840.55,-470.47 cw(c2850.04,-470.47) 2843.33,-463.76
  MidLayer1 w3.94: v1(409.45,-73.38) 413.23,-69.6 571.57,-69.6 606.72,-104.76 666.91,-104.76 1457.46,-895.31 1788.24,-895.31 1819.22,-864.32 1982.92,-864.32 2031.38,-815.87 2263,-815.87 2311.89,-766.98 ; v1@410.84,-74.77 cw(c423.33,-87.26) 423.33,-69.6 ; v1@413.62,-77.56 cw(c432.83,-96.76) 432.83,-69.6 ; 2312.24,-766.98 2447.3,-631.93 2447.3,-610 2447.29,-593.55 2545.77,-495.08 2564.65,-495.08 2573.51,-486.22 2723.87,-486.22 2731.05,-479.05 2782.39,-479.05 2789.57,-486.22 2818.89,-486.22 v1(2834.64,-470.47) ; v1@2828.73,-470.47 cw(c2814.48,-470.47) 2824.56,-480.55 cw(c2834.64,-490.63) v1@2834.64,-476.38
FREE_MRCC_P: IC33.AF30 J3.16 | length 3243.9
  Top Layer w3.94: v1(409.45,-51.62) 414.86,-57.03 426.04,-57.03 ; v1@411.28,-50.9 ccw(c420.27,-47.38) 420.27,-57.03 ; v1@414.95,-49.47 ccw(c426.04,-45.12) 426.04,-57.03 ; J3.16@481.69,-50 433.07,-50 426.04,-57.03 ; v1@2874.02,-472.44 IC33.AF30@2893.7,-452.76 ; v1@2874.01,-468.5 ccw(c2874.01,-458.98) 2880.74,-465.71 ; v1@2874.01,-464.57 ccw(c2874.01,-445.54) IC33.AF30@2887.46,-458.99 ; v1@2879.92,-470.47 cw(c2889.4,-470.47) 2882.69,-463.76
  MidLayer1 w3.94: v1(409.45,-51.62) 413.23,-55.4 577.45,-55.4 612.61,-90.55 672.8,-90.55 1463.35,-881.1 1782.35,-881.1 1813.34,-850.12 1977.04,-850.12 2025.49,-801.66 2257.12,-801.66 2306,-752.78 ; v1@410.84,-50.23 ccw(c423.33,-37.74) 423.33,-55.4 ; v1@413.62,-47.44 ccw(c432.83,-28.24) 432.83,-55.4 ; 2306.36,-752.78 2433.09,-626.04 2433.09,-587.67 2556.19,-464.57 2584,-464.57 2589.91,-458.66 2723.58,-458.66 2729.76,-464.84 2783.39,-464.84 2789.57,-458.66 2800.98,-458.66 2804.93,-462.61 2812.61,-462.61 2824.85,-450.36 2853.9,-450.36 v1(2874.01,-470.47) ; v1@2868.1,-470.47 ccw(c2853.85,-470.47) 2863.93,-460.39 ccw(c2874.01,-450.31) v1@2874.01,-464.57
FREE_SRCC_N: IC33.AN34 J3.21 | length 2715.9
  Top Layer w3.94: v1(637.8,76.62) 643.21,82.03 652.41,82.03 ; v1@639.7,76.13 cw(c647.33,74.15) 647.33,82.03 ; v1@643.51,75.14 cw(c652.41,72.84) 652.41,82.03 ; J3.21@707.29,75 659.44,75 652.41,82.03 ; v1@2459.26,-644.09 ccw(c2466.85,-636.53) 2466.85,-647.24 ; v1@2459.63,-647.24 2476.33,-647.24 ; v1@2462.04,-649.66 cw(c2467.87,-655.48) 2467.87,-647.24 ; v1@2462.05,-641.31 ccw(c2476.33,-627.08) 2476.33,-647.24 ; IC33.AN34@2618.11,-610.24 2618.11,-622.08 2613.03,-627.16 2613.03,-640.79 2593.79,-660.04 2489.13,-660.04 2476.33,-647.24
  MidLayer4 w3.94: v1(637.8,76.62) 641.57,80.4 756.22,80.4 1019.68,-183.07 1019.68,-338.15 1469.36,-787.83 2286.98,-787.83 2429.32,-645.48 v1(2457.87,-645.48) ; v1@639.19,75.23 cw(c651.67,62.74) 651.67,80.4 ; v1@641.97,72.44 cw(c661.18,53.24) 661.18,80.4 ; v1@2453.69,-649.66 ccw(c2443.61,-659.74) 2443.61,-645.48 ccw(c2443.61,-631.22) v1@2453.69,-641.31
FREE_SRCC_P: IC33.AN33 J3.23 | length 2743.4
  Top Layer w3.94: v1(637.8,98.38) 643.21,92.97 652.41,92.97 ; v1@639.7,98.87 ccw(c647.33,100.85) 647.33,92.97 ; v1@643.51,99.86 ccw(c652.41,102.16) 652.41,92.97 ; J3.23@707.29,100 659.44,100 652.41,92.97 ; v1@2476.38,-632.87 cw(c2476.38,-647.13) 2486.46,-637.05 cw(c2496.54,-626.97) v1@2482.28,-626.97 ; v1@2477.04,-627.63 2495.08,-645.67 2587.83,-645.67 2598.66,-634.84 2598.66,-603.64 2618.11,-584.19 IC33.AN33@2618.11,-570.87
  MidLayer4 w3.94: v1(637.8,98.38) 641.57,94.6 762.1,94.6 1033.89,-177.19 1033.89,-332.27 1475.25,-773.62 2281.09,-773.62 2429.34,-625.37 2474.78,-625.37 v1(2476.38,-626.97) ; v1@639.19,99.77 ccw(c651.67,112.26) 651.67,94.6 ; v1@641.97,102.56 ccw(c661.18,121.76) 661.18,94.6 ; 2458.26,-625.37 cw(c2458.26,-645.08) v1@2472.2,-631.14 ; 2465.98,-625.37 ccw(c2465.98,-616.57) v1@2472.2,-622.79 ; 2467.77,-625.37 cw(c2467.77,-635.58) v1@2474.99,-628.36